# Altium PCB EVK-IRIS-W1.PcbDoc (part 8 of 9)
Units mm, origin at the board's own origin, x right, y up, seen from the top; angles counter-clockwise.
Board outline 94.11 x 129.93 mm, 6 copper layers (L1, L2, L3, L4, L5, L6), stack 1.547 mm thick; 619 components, 422 nets, 2042 pads, 1499 vias.
Unrouted connection lines stored in the file: 4.
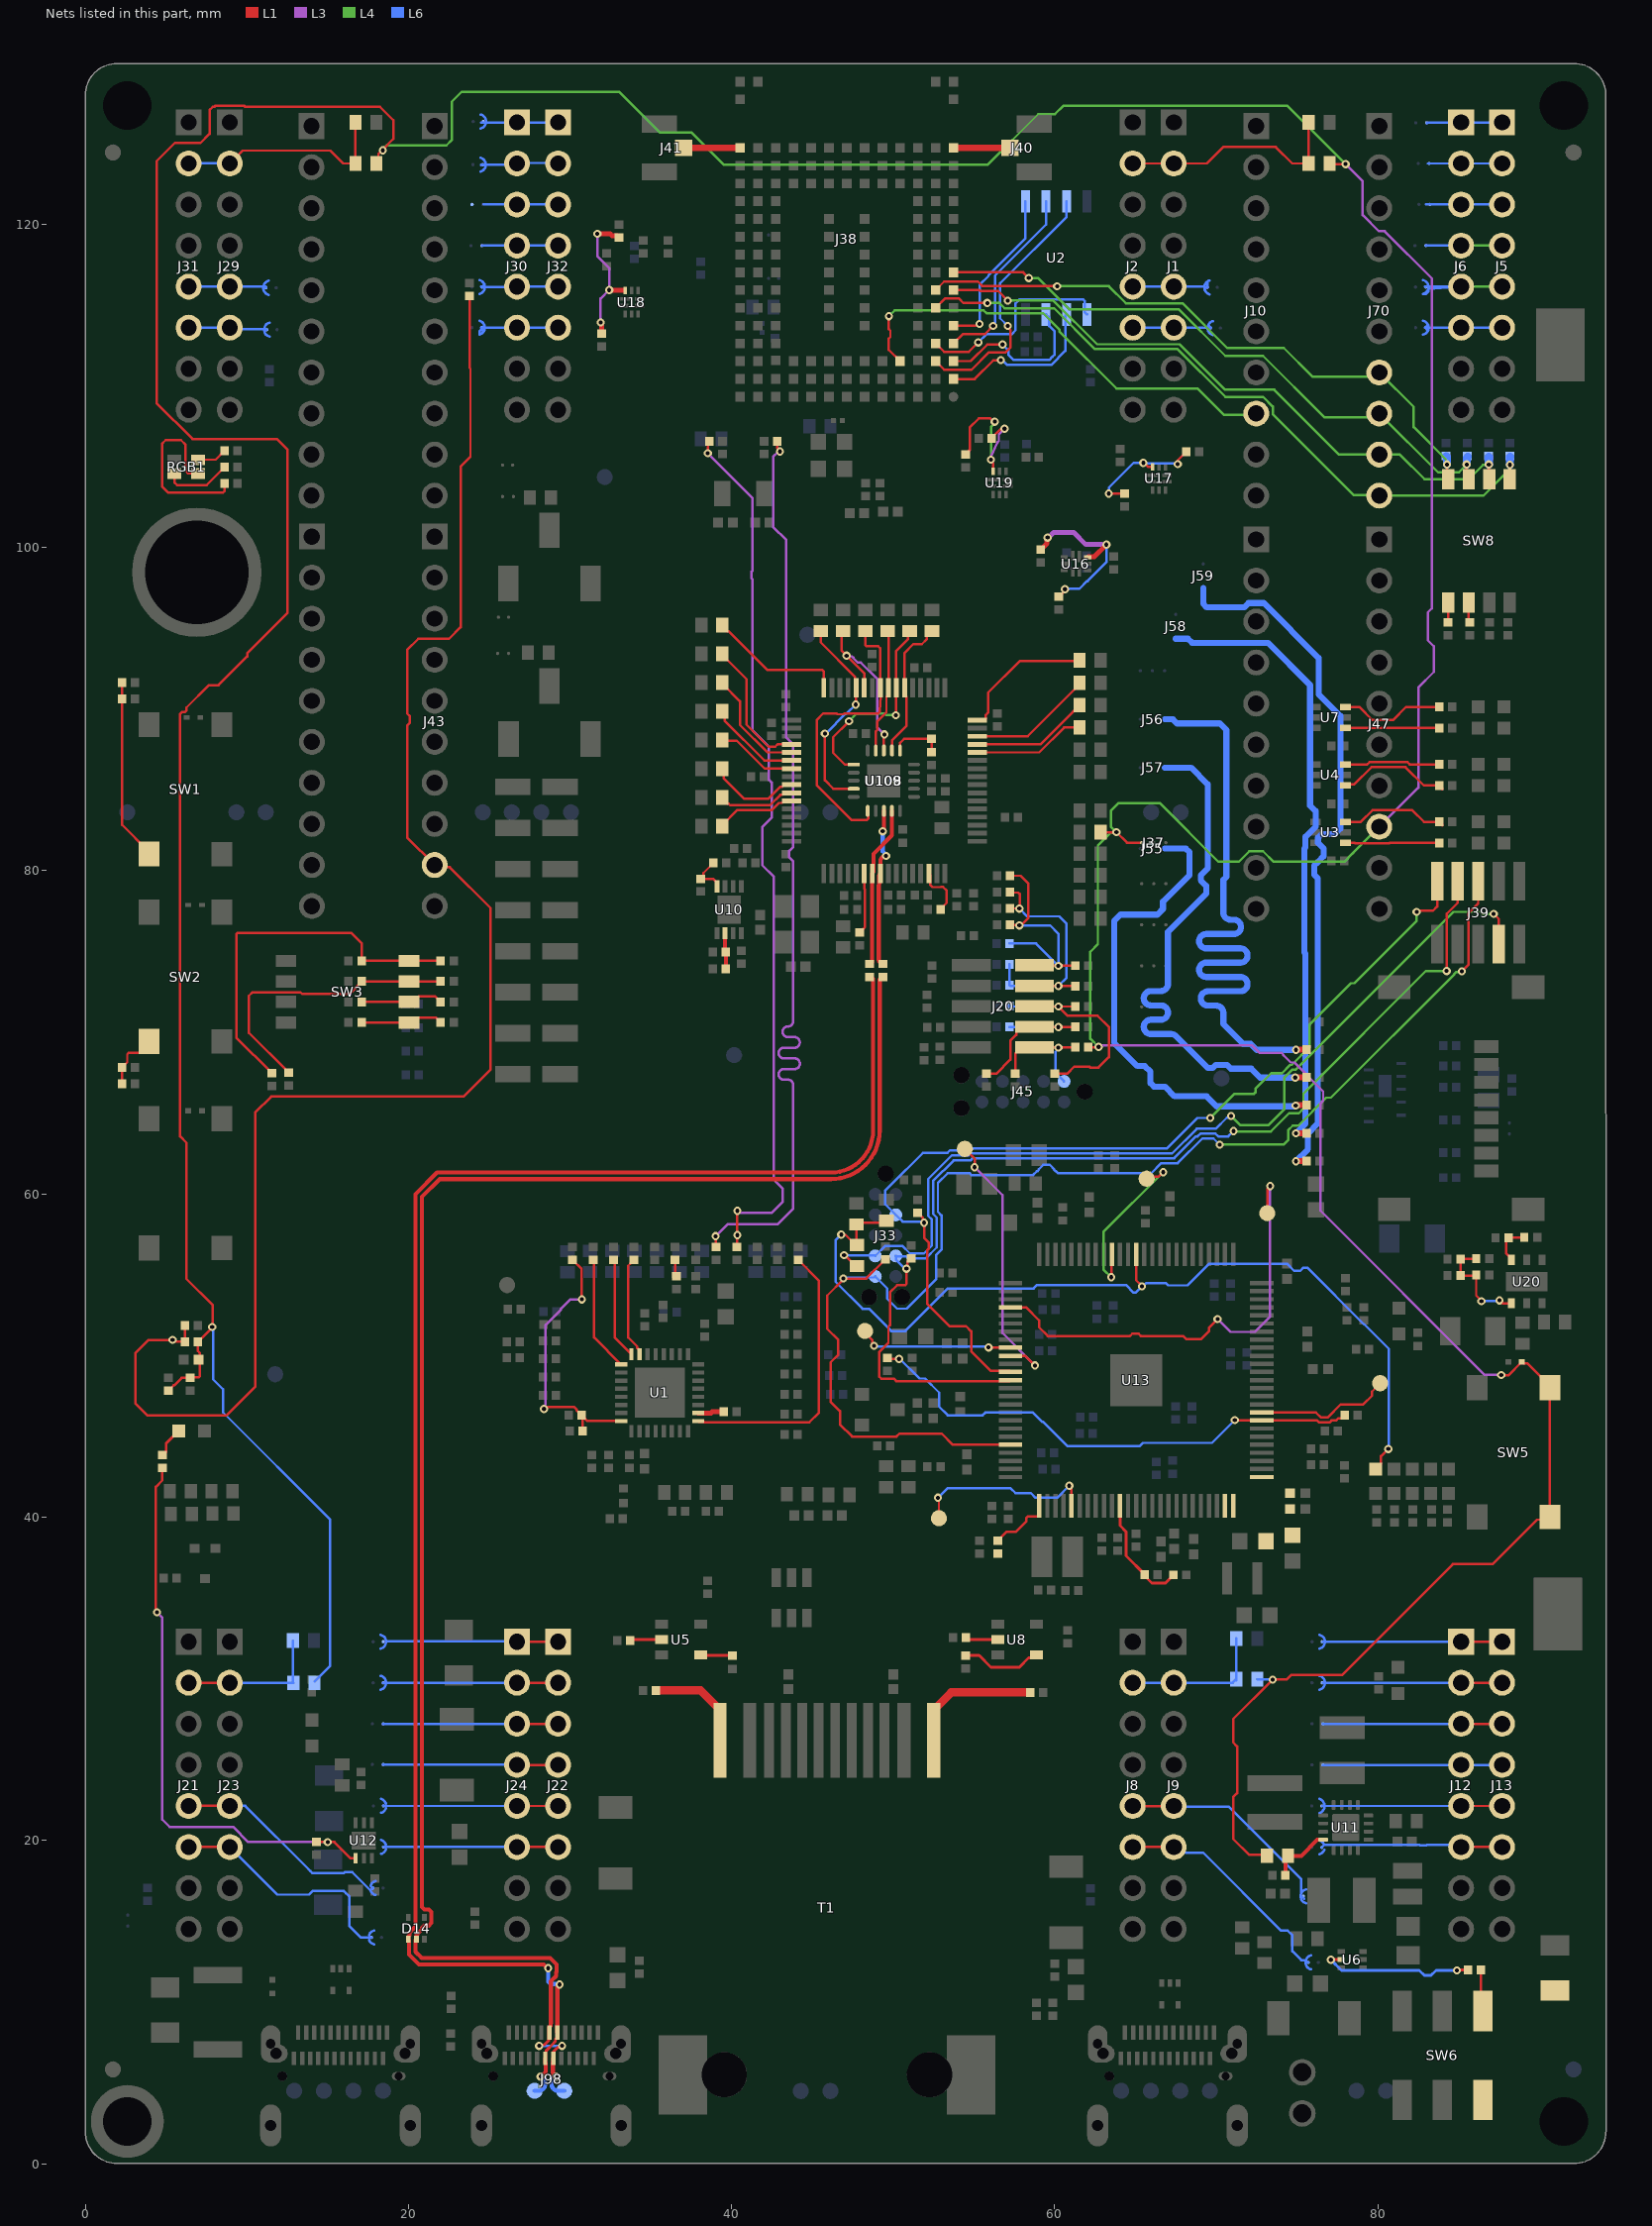
[diagram p12: the nets of this part, all layers, seen from the top]

## Via types
v1: diameter 0.508, hole 0.254, L1 to L6, 992 vias
v2: diameter 0.508, hole 0.254, L1 to L6, tented both sides, 288 vias
v3: diameter 0.5, hole 0.25, L1 to L6, 184 vias
v4: diameter 0.6, hole 0.3, L1 to L6, 27 vias
v5: diameter 0.5, hole 0.3, L1 to L6, 5 vias
v6: diameter 0.5, hole 0.2, L1 to L6, tented top, 2 vias
v7: diameter 0.6, hole 0.3, L1 to L6, tented both sides, 1 vias

## Nets (pads, with @x,y where several pads share a name; then routed paths per layer and width w, separated by ;. In a path a pad name is that pad's centre, name@x,y a point inside that pad or via, vN(x,y) a via of type N, cw(c..) or ccw(c..) an arc to the next point about the centre after c; other vN are vias at no path point) (continued)
NetR30_1: R30.1 SW8.6 | length 1.3
  L1 w0.15: SW8.6@85.62,96.588 85.62,95.427 R30.1@85.696,95.35
NetR31_1: R31.1 SW8.5 | length 1.2
  L1 w0.15: R31.1@84.35,95.35 SW8.5@84.35,96.588
NetR37_1: R37.1 U108.28 | length 7
  L1 w0.15: U108.28@55.207,87.309 59.036,87.309 60.581,88.854 R37.1@61.534,88.854
NetR38_1: R38.1 U108.29 | length 7.4
  L1 w0.15: U108.29@55.207,87.809 59.112,87.809 61.159,89.856 61.234,89.856 61.534,90.156 R38.1@61.534,90.231
NetR39_1: R39.1 R40.1 U11.4 | length 3.9
  L1 w0.25: R39.1@74.262,17.847 74.296,17.881 74.296,18.9 R40.1@74.433,19.037 74.605,19.037 75.253,19.037 76.256,20.041 U11.4@76.613,20.041
NetR41_1: R41.1 U108.30 | length 7.8
  L1 w0.15: U108.30@55.207,88.309 58.327,88.309 61.234,91.216 61.234,91.323 R41.1@61.534,91.623
NetR42_1: R42.1 U108.32 | length 8.7
  L1 w0.15: U108.32@55.207,89.309 55.657,89.309 55.732,89.384 55.732,89.626 55.875,89.768 55.875,91.005 57.826,92.955 61.475,92.955 R42.1@61.534,93.014
NetR52_1: R52.1 U108.38 U109.17 | length 8.9
  L1 w0.15: U109.17@49.925,87.425 49.925,88.05 50.832,88.957 50.832,90.734 50.707,90.859 50.707,93.47 51.242,94.005 51.775,94.005 52.077,94.306 52.077,94.518 52.377,94.818 R52.1@52.406,94.818
NetR53_1: R53.1 U108.39 U109.1 | length 12.8
  L1 w0.15: v1@47.249,89.208 46.282,88.242 46.282,87.293 47.016,86.559 U109.1@47.592,86.559 ; v1(50.17,89.61) 50.189,89.629 50.189,91.29 U108.39@50.207,91.309 50.184,91.834 50.184,93.582 50.908,94.306 50.908,94.773 R53.1@51.115,94.979
  L4 w0.15: v1(47.273,89.242) 47.752,89.721 49.433,89.721 49.544,89.61 v1(50.17,89.61)
NetR54_1: R54.1 U108.40 U109.19 | length 8
  L1 w0.15: U109.19@48.925,87.425 48.925,88.6 49.027,88.701 49.027,89.241 49.582,89.797 49.582,90.696 49.582,90.734 49.707,90.859 R54.1@49.707,94.818 ; R54.1@49.582,95.06 49.652,94.991 R54.1@49.652,94.818
NetR55_1: R55.1 U108.41 U109.6 | length 18.6
  L1 w0.15: R55.1@48.274,94.818 48.274,93.966 48.362,93.878 49.076,93.878 49.207,93.747 U108.41@49.207,91.309 49.257,91.253 49.171,89.863 49.167,89.806 49.127,89.766 49.08,89.718 48.516,89.718 48.513,89.721 46.983,89.721 46.931,89.67 46.538,89.67 46.486,89.721 45.676,89.721 45.266,89.312 45.266,85.282 47.428,83.121 48.37,83.121 48.457,83.209 U109.6@48.457,83.694
NetR56_1: R56.1 U108.43 U109.18 | length 11.2
  L1 w0.15: R56.1@46.859,94.78 46.797,94.718 46.797,93.613 48.207,92.202 U108.43@48.207,91.309 ; U109.18@49.425,87.425 49.425,88.388 v1(49.458,88.421)
  L3 w0.15: v1(47.114,93.296) 47.156,93.254 47.449,93.254 47.537,93.166 47.537,93.146 47.818,92.865 48.002,92.865 49.027,91.84 49.027,88.853 v1(49.458,88.421)
NetR57_1: R57.1 U108.44 U109.4 | length 13
  L1 w0.15: R57.1@45.52,94.818 45.52,94.113 47.632,92.001 47.632,91.384 U108.44@47.707,91.309 47.694,91.296 47.694,90.284 v1(47.68,90.271) ; v1(45.774,88.48) 45.774,85.585 46.3,85.059 U109.4@47.592,85.059
  L6 w0.15: v1(45.774,88.48) 45.834,88.48 47.075,89.721 47.131,89.721 v1(47.68,90.271)
NetR58_1: R58.1 U108.48 | length 8.5
  L1 w0.15: R58.1@39.431,95.188 39.431,95.113 39.731,94.813 39.806,94.813 42.218,92.401 45.62,92.401 45.707,92.313 U108.48@45.707,91.309
NetR59_1: R59.1 U108.52 | length 8.4
  L1 w0.15: R59.1@39.431,93.41 39.431,93.335 40.924,91.842 40.924,89.029 42.294,87.659 42.701,87.659 42.851,87.809 U108.52@43.707,87.809
NetR60_1: R60.1 U108.53 | length 7
  L1 w0.15: R60.1@39.431,91.632 39.431,91.557 40.518,90.47 40.518,89.012 42.22,87.309 U108.53@43.707,87.309
NetR61_1: R61.1 U108.54 | length 5.8
  L1 w0.15: R61.1@39.431,89.854 39.57,89.715 39.57,89.267 42.028,86.809 U108.54@43.707,86.809
NetR63_1: R63.1 U108.55 | length 5
  L1 w0.15: R63.1@39.431,88.076 39.476,88.031 40.329,88.031 42.046,86.313 42.362,86.313 42.366,86.309 U108.55@43.707,86.309
NetR64_1: R64.1 U108.57 | length 5.7
  L1 w0.15: R64.1@39.431,86.298 39.508,86.221 39.508,85.711 40.786,84.432 42.262,84.432 43.014,85.184 43.132,85.184 43.257,85.309 U108.57@43.707,85.309
NetR65_1: R65.1 U108.58 | length 4.8
  L1 w0.15: R65.1@39.431,84.52 39.431,84.445 39.731,84.145 39.806,84.145 39.904,84.047 42.377,84.047 43.014,84.684 43.095,84.684 43.132,84.684 43.257,84.809 U108.58@43.707,84.809
NetR66_1: R66.1 U108.59 | length 5
  L1 w0.15: R66.1@39.431,82.742 39.431,82.817 40.36,83.747 42.501,83.747 42.938,84.184 43.132,84.184 43.257,84.309 U108.59@43.707,84.309
NetR72_1: R72.1 U3.6 | length 6.7
  L1 w0.15: U3.6@77.986,83.012 78.939,83.012 79.661,83.734 82.123,83.734 82.845,83.012 R72.1@83.806,83.012 83.991,82.827 R72.1@83.991,82.774
NetR73_1: R73.1 U3.4 | length 5.8
  L1 w0.15: U3.4@77.986,81.712 78.559,81.712 78.587,81.684 80.702,81.684 80.73,81.712 82.845,81.712 R73.1@83.806,81.712
NetR74_1: R74.1 U4.6 | length 5.9
  L1 w0.15: U4.6@77.986,86.568 79.342,86.568 79.476,86.702 81.835,86.702 81.97,86.568 R74.1@83.806,86.568
NetR75_1: R75.1 U4.4 | length 7.1
  L1 w0.15: U4.4@77.986,85.268 78.061,85.343 78.541,85.343 79.6,86.402 81.711,86.402 82.845,85.268 R75.1@83.806,85.268 83.991,85.083 R75.1@83.991,85.03
NetR76_1: R76.1 U7.6 | length 6.6
  L1 w0.15: U7.6@77.856,90.124 U7.6@77.986,90.124 78.841,90.124 79.661,89.304 80.927,89.304 81.747,90.124 R76.1@83.806,90.124
NetR77_2: R77.2 RGB1.1 | length 1.9
  L1 w0.15: RGB1.1@6.975,105.415 6.982,105.422 8.075,105.422 8.619,105.966 R77.2@8.619,105.981
NetR78_2: R78.2 RGB1.2 | length 11.3
  L1 w0.15: RGB1.2@6.975,104.565 6.381,104.565 6.214,104.732 6.214,106.347 5.926,106.636 4.975,106.636 4.752,106.413 4.752,103.76 5.122,103.39 8.531,103.39 8.619,103.478 R78.2@8.619,103.949
NetR79_2: R79.2 RGB1.3 | length 4.2
  L1 w0.15: RGB1.3@5.525,104.565 5.525,104.013 5.691,103.847 7.516,103.847 8.619,104.95 R79.2@8.619,104.965
NetR82_2: R82.2 R213.1 SW3.1 | length 5.2
  L1 w0.152: R213.1@17.1,70.601 SW3.1@20.043,70.601 20.347,70.905 20.691,70.905 21.696,70.905 21.801,70.8 21.816,70.8 22,70.616 R82.2@22,70.601
NetR84_2: R84.2 U108.6 | length 3.8
  L1 w0.15: R84.2@47.933,76.18 47.948,76.18 48.133,76.365 48.133,76.379 48.26,76.505 48.26,78.815 48.207,78.868 U108.6@48.207,79.809
NetR85_2: R85.2 U108.14 | length 3.2
  L1 w0.15: U108.14@52.207,79.809 52.282,79.734 52.282,79.12 52.427,78.976 52.955,78.976 52.964,78.984 53.093,78.984 53.318,78.759 53.318,78.011 52.931,77.624 R85.2@52.931,77.609
NetR86_1: R86.1 R90.2 U10.4 | length 2.6
  L1 w0.15: R90.2@38.872,80.479 38.872,80.464 38.258,79.85 38.258,79.651 R86.1@38.093,79.486 38.862,79.486 39.095,79.252 U10.4@39.095,79.027
NetR89_2: R89.2 R114.2 U10.6 | length 2.2
  L1 w0.254: U10.6@39.595,76.127 39.595,75.016 R114.2@39.649,74.962 R89.2@39.65,73.928
NetR91_1: R91.1 R92.1 U109.16 | length 3.4
  L1 w0.15: U109.16@50.425,87.425 50.425,87.9 50.682,88.156 R91.1@52.378,88.156 R92.1@52.378,87.331
NetR93_1: R93.1 U7.4 | length 5.8
  L1 w0.15: U7.4@77.986,88.824 R93.1@83.806,88.824
NetR94_2: R94.2 R212.1 SW3.2 | length 5.2
  L1 w0.152: R212.1@17.1,71.87 SW3.2@20.043,71.871 ; SW3.2@20.043,71.871 20.298,71.871 20.654,72.226 21.644,72.226 21.801,72.069 21.816,72.069 22,71.885 R94.2@22,71.87
NetR99_2: R99.2 R214.1 R216.1 SW3.3 | length 18.2
  L1 w0.15: R216.1@12.598,67.507 12.583,67.507 10.128,69.962 10.128,72.251 10.352,72.476 13.314,72.476 13.42,72.37 16.382,72.37 16.789,72.777 16.789,72.815 17.1,73.126 R214.1@17.1,73.141
  L1 w0.152: R214.1@17.1,73.141 R99.2@22,73.141 R99.2@22.047,73.141
NetR103_2: R103.2 R215.1 R218.1 SW3.4 | length 23.5
  L1 w0.152: R218.1@11.557,67.481 11.542,67.481 9.354,69.669 9.354,76.055 9.449,76.149 16.459,76.149 17.1,75.508 R215.1@17.1,74.411 R103.2@22,74.411
NetR110_2: R110.2 R209.1 U12.4 | length 35.8
  L1 w0.15: v2(4.443,34.112) 4.443,34.209 4.369,34.283 4.369,41.87 4.774,42.274 R110.2@4.774,43.034 ; R209.1@14.299,19.907 14.314,19.892 v2(15.008,19.892) 15.421,19.892 16.427,18.886 U12.4@16.743,18.886
  L3 w0.15: v2(4.443,34.112) 4.774,33.782 4.774,21.285 5.227,20.832 9.151,20.832 10.091,19.892 v2(15.008,19.892)
NetR123_1: R123.1 U6.5 | length 9.7
  L1 w0.178: v1(77.086,12.615) U6.5@77.732,12.615 ; v1(84.883,11.955) 84.909,11.98 R123.1@85.575,11.98
  L6 w0.178: v1(77.086,12.615) 77.747,11.955 82.561,11.955 82.876,11.64 83.284,11.64 83.599,11.955 v1(84.883,11.955)
NetR123_2: R123.2 R124.1 SW6.1 SW6.4 | length 2.6
  L1 w0.178: R123.2@86.375,11.98 86.375,9.559 SW6.1@86.494,9.44
NetR125_1: R125.1 R127.1 SW1.4 | length 11.3
  L1 w0.15: R125.1@2.289,91.622 R127.1@2.289,90.617 2.289,82.819 3.864,81.244 3.864,81.119 SW1.4@3.956,81.027
NetR128_1: R128.1 R129.1 SW2.4 | length 3.7
  L1 w0.15: R129.1@2.289,66.805 2.289,67.824 2.604,68.139 2.604,68.635 2.692,68.723 3.381,68.723 3.956,69.298 SW2.4@3.956,69.423
NetR130_1: R130.1 T1.1 | length 9.5
  L1 w0.178: T1.1@52.475,26.213 T1.1@52.475,27.45
  L1 w0.508: T1.1@52.512,26.186 52.512,28.081 53.587,29.155 R130.1@58.476,29.155
NetR131_1: R131.1 T1.12 | length 7.6
  L1 w0.178: T1.12@39.292,26.111 T1.12@39.292,27.348
  L1 w0.508: R131.1@35.323,29.276 38.096,29.276 39.292,28.081 T1.12@39.292,26.186
NetR144_1: R144.1 R145.1 R274.2 R287.2 U20.4 | length 8
  L1 w0.152: R144.1@86.082,55.984 85.142,55.984 R274.2@85.105,55.948 R287.2@85.105,54.943 86.045,54.943 R145.1@86.082,54.98 ; v1@86.407,53.382 86.082,53.707 ; v1@87.559,53.384 87.717,53.226 U20.4@88.259,53.226 U20.4@88.259,53.316 ; 86.082,53.707 R145.1@86.082,54.98 ; 86.082,53.707 R145.1@86.082,54.98
  L6 w0.152: v1(86.407,53.357) 86.433,53.382 87.499,53.382 v1(87.525,53.408)
NetR147_2: R147.2 U5.2 | length 1.8
  L1 w0.178: R147.2@33.718,32.36 33.777,32.419 U5.2@35.531,32.419
NetR148_1: R148.1 U5.4 | length 1.8
  L1 w0.178: U5.4@38.23,31.466 38.257,31.44 40.03,31.44 R148.1@40.057,31.413
NetR150_1: R150.1 U1.10 | length 1.6
  L1 w0.305: U1.10@37.937,46.44 38.723,46.44 38.808,46.524 R150.1@39.525,46.524
NetR151_1: R151.1 R208.2 U20.3 | length 2.6
  L1 w0.152: U20.3@88.259,55.906 88.259,55.996 87.931,56.325 87.931,57.136 R208.2@88.077,57.282 89.043,57.282 R151.1@89.054,57.294
NetR153_2: R153.2 U8.2 | length 1.9
  L1 w0.178: R153.2@54.51,32.537 54.628,32.419 U8.2@56.323,32.419
NetR154_1: R154.1 U8.4 | length 5.1
  L1 w0.178: R154.1@54.496,31.439 55.323,31.439 56.053,30.709 57.809,30.709 58.383,31.283 58.839,31.283 U8.4@59.022,31.466
NetR184_1: R184.1 R185.2 U13.58 | length 32.2
  L1 w0.15: R184.1@49.63,49.854 49.7,49.784 v1(50.367,49.784) ; v1(71.144,45.999) 71.166,45.977 76.236,45.977 76.358,45.855 77.004,45.855 77.126,45.977 77.409,45.977 77.549,46.118 77.772,46.118 77.957,46.303 R185.2@77.957,46.318
  L6 w0.15: v1@50.392,49.809 51.628,48.573 51.975,48.573 52.846,47.703 52.846,46.83 53.374,46.302 55.536,46.302 55.703,46.47 58.649,46.47 59.217,45.903 59.269,45.903 60.791,44.38 65.25,44.38 65.46,44.59 69.735,44.59 v1(71.144,45.999)
NetR251_2: R251.2 R252.2 U16.10 | length 11.4
  L1 w0.15: R251.2@60.245,96.937 60.26,96.937 60.56,97.236 60.56,97.341 v1(60.628,97.409)
  L1 w0.305: R252.2@59.13,99.866 59.145,99.866 59.521,100.243 59.521,100.562 v1(59.56,100.6) ; U16.10@62.074,99.423 62.455,99.423 v1(63.199,100.167)
  L3 w0.305: v1(59.56,100.6) 59.615,100.6 59.942,100.927 61.163,100.927 61.923,100.167 v1(63.199,100.167)
  L6 w0.15: v1(60.628,97.409) 60.65,97.431 61.522,97.431 62.003,97.912 62.029,97.912 63.199,99.082 v1(63.199,100.167)
NetR253_2: R253.2 R254.2 U17.10 | length 7.6
  L1 w0.152: v1@63.395,103.344 63.42,103.319 64.307,103.319 R253.2@64.311,103.314 ; v1@65.605,105.147 65.769,104.983 U17.10@66.043,104.983 ; v1@67.586,105.249 67.586,105.355 68.125,105.894 R254.2@68.125,105.909
  L6 w0.152: v1(63.346,103.319) 63.353,103.325 63.353,103.69 64.887,105.224 v1(65.48,105.224) ; v1@65.518,105.185 67.575,105.185 v1(67.613,105.147)
NetR255_2: R255.2 R256.2 U18.10 | length 8.9
  L1 w0.305: v1@31.873,119.397 32.483,119.397 32.597,119.282 32.934,119.282 R255.2@33.042,119.175 ; v1@31.899,113.961 31.95,113.91 R256.2@31.95,113.218 ; v1@32.483,115.892 U18.10@33.372,115.892
  L3 w0.152: v1(31.696,119.397) 31.696,118.007 32.432,117.27 v1(32.432,115.917) 31.899,115.384 v1(31.899,113.91)
NetR257_2: R257.2 R258.2 U19.10 | length 10.1
  L1 w0.15: R257.2@54.479,105.751 54.494,105.751 54.679,105.936 54.679,105.966 54.737,106.023 54.737,107.41 55.299,107.972 56.018,107.972 56.218,107.772 v1(56.285,107.772) ; v1(56.054,105.427) 56.054,105.33 56.195,105.19 U19.10@56.195,104.709 ; R258.2@56.099,106.748 56.099,106.763 56.651,107.315 v1@56.92,107.315
  L3 w0.15: v1@56.02,105.461 v1(56.054,105.427) 56.066,105.638 56.45,106.472 56.473,106.504 56.49,106.524 56.539,106.573 56.539,106.985 v1(56.894,107.34)
  L4 w0.15: v1(56.054,105.427) 56.054,107.445 56.285,107.675 v1(56.285,107.772)
OTG_FAULT: D2.1 R110.1 | length 1.9
  L1 w0.178: R110.1@4.774,43.834 4.789,43.834 5.009,44.055 5.009,44.559 D2.1@5.789,45.339
P1_1-MCULINK: TP25.1 U13.59 | length 8.5
  L1 w0.15: U13.59@72.816,46.477 76.161,46.477 76.483,46.155 76.879,46.155 77.697,46.973 79.094,46.973 79.633,47.512 79.633,47.763 80.135,48.266 TP25.1@80.135,48.285
P1_7-MCULINK: TP30.1 U13.9 | length 9.5
  L1 w0.152: TP30.1@48.258,51.511 48.258,51.395 48.716,50.938 v1@48.716,50.622 ; v1@56.005,50.546 56.074,50.477 U13.9@57.266,50.477
  L6 w0.152: v1(48.817,50.597) 48.868,50.546 55.853,50.546 v1(55.904,50.495)
P1_9-MCULINK: TP26.1 U13.10 | length 16.9
  L1 w0.152: TP26.1@54.436,62.78 55.04,62.176 v1(55.04,61.646) ; U13.10@57.266,49.977 58.174,49.977 v1@58.749,49.403
  L3 w0.152: v1@55.066,61.62 56.768,59.918 56.768,51.384 v1(58.774,49.378)
P1_20-MCULINK: TP27.1 U13.4 | length 28.4
  L1 w0.152: U13.4@57.266,52.977 58.229,52.977 59.03,52.176 59.03,51.744 59.566,51.209 64.657,51.209 64.796,51.348 65.194,51.348 65.333,51.209 67.946,51.209 68.136,51.019 69.07,51.019 69.541,51.49 69.541,51.712 v1(70.077,52.248) ; TP27.1@73.15,58.801 73.15,60.325 v1@73.277,60.452
  L3 w0.152: v1(70.077,52.248) 70.871,51.454 72.382,51.454 73.328,52.4 v1(73.328,60.477)
P1_21-MCULINK: TP28.1 U13.30 | length 11.6
  L1 w0.15: v1@52.78,41.25 52.83,41.199 TP28.1@52.83,39.929 ; v1@60.933,41.986 61.041,41.879 U13.30@61.041,40.702
  L6 w0.15: v1(52.772,41.199) 53.352,41.779 57.271,41.779 57.572,41.478 58.527,41.478 58.807,41.199 60.163,41.199 v1(60.9,41.935)
P1_31-MCULINK: TP29.1 U13.91 | length 10.9
  L1 w0.15: v1(63.498,54.839) 63.519,54.86 63.519,56.231 U13.91@63.541,56.252 ; TP29.1@65.683,60.935 65.798,61.05 66.408,61.05 v1@66.699,61.341
  L4 w0.15: v1(63.498,54.839) 63.016,55.321 63.016,57.641 v1(66.716,61.341)
PDn: J43.9 R14.1 R15.2 R222.1 | length 102.4
  L1 w0.15: R15.2@6.183,51.845 6.183,51.902 6.175,51.91 R15.2@6.36,51.725 ; J43.9@21.625,80.343 19.92,82.048 19.92,88.969 20.097,89.146 20.097,89.543 19.92,89.719 19.92,93.643 20.608,94.331 22.506,94.331 23.234,95.059 23.234,105.001 23.84,105.608 23.84,111.046 23.782,111.104 R222.1@23.782,115.561
  L1 w0.152: R15.2@6.175,51.91 6.175,50.846 6.158,50.829 6.128,50.859 5.626,50.859 5.527,50.958 v1(5.403,50.958) 3.916,50.958 3.123,50.165 3.123,47.015 3.834,46.304 8.761,46.304 10.514,48.057 10.514,65.024 11.509,66.019 23.424,66.019 25.095,67.691 25.095,77.673 22.565,80.204 21.765,80.204 J43.9@21.625,80.343
PHY_RESET: C42.1 R152.1 R210.1 U1.32 | length 16.9
  L1 w0.152: v1(28.396,46.685) 28.492,46.685 28.609,46.802 30.272,46.802 30.41,46.664 30.41,46.624 30.724,46.311 R152.1@30.724,46.296 ; R210.1@30.157,55.913 30.724,55.346 ; R210.1@30.157,56.104 R210.1@30.187,56.074 ; 30.73,55.316 30.73,53.469 v1(30.732,53.467) ; C42.1@30.775,45.327 30.775,46.23 30.908,46.097 30.923,46.097 31.08,45.94 U1.32@33.167,45.94
  L3 w0.152: v1(28.396,46.685) 28.464,46.753 28.464,46.919 28.497,46.952 28.497,51.892 29.446,52.841 29.446,52.887 30.026,53.467 v1(30.732,53.467)
PIO0_5-ISP_EN: J33.7 J39.7 R181.1 | length 56.9
  L1 w0.15: v1(46.963,56.21) 47,56.21 47.675,55.535 R181.1@47.75,55.535 ; v1(87.166,77.318) 87.476,77.007 J39.7@87.476,75.444
  L4 w0.15: v1(70.915,64.821) 71.499,64.237 73.201,64.237 74.217,65.253 74.217,67.204 74.684,67.671 74.898,67.671 84.668,77.441 86.328,77.441 86.452,77.318 v1(87.166,77.318) v1@87.171,77.318
  L6 w0.15: v1(46.963,56.21) 46.988,56.185 48.868,56.185 J33.7@48.893,56.159 49.518,56.784 50.568,56.784 51.037,56.315 51.911,56.315 52.396,56.8 52.396,58.41 52.17,58.636 52.17,60.918 53.644,62.392 54.685,62.392 54.793,62.5 67.266,62.5 68.79,64.024 69.966,64.024 70.65,64.708 70.706,64.708 70.818,64.821 v1(70.915,64.821)
PIO0_5-ISP_EN-LED_SWD_ACT: LED3.1 R179.1 R181.2 R182.1 U13.88 | length 57.2
  L1 w0.15: U13.88@65.041,56.252 65.041,54.643 v1@65.327,54.356 ; LED3.1@79.868,42.965 80.193,43.29 80.193,43.765 v1(80.641,44.213)
  L1 w0.152: v1@46.912,57.455 47.055,57.455 47.675,56.835 R181.2@47.75,56.835 ; R181.2@47.725,56.86 R182.1@47.725,58.112 ; R182.1@47.839,58.226 R179.1@49.466,58.226
  L1 w0.277: R181.2@47.725,56.86 R181.2@47.75,56.835 ; R182.1@47.725,58.112 R182.1@47.839,58.226 ; R179.1@49.466,58.226 R179.1@49.579,58.339
  L6 w0.15: v1(65.401,54.271) 65.453,54.271 65.668,54.487 66.867,54.487 67.019,54.334 68.218,54.334 69.556,55.673 74.372,55.673 74.804,55.24 75.201,55.24 75.397,55.436 75.625,55.436 79.13,51.931 79.149,51.931 80.671,50.408 v1@80.671,44.278
  L6 w0.152: 46.432,54.963 46.432,54.564 48.102,52.893 48.502,52.893 49.884,51.511 50.755,51.511 53.383,54.14 58.692,54.14 58.908,54.356 64.406,54.356 64.883,53.879 65.009,53.879 v1(65.401,54.271) ; 46.432,54.963 46.432,57.127 v1(46.785,57.48)
PIO0_10-SWO: J33.6 J39.6 R176.1 U13.21 | length 83.5
  L1 w0.15: R176.1@49.528,55.944 49.513,55.944 48.332,54.762 v1(46.912,54.762) 46.912,54.699 45.922,53.708 45.922,51.645 46.602,50.964 46.602,50.043 46.126,49.567 46.126,47.139 46.709,46.556 46.709,45.728 47.458,44.979 50.202,44.979 50.38,45.157 53.004,45.157 53.685,44.477 U13.21@57.266,44.477 ; v1(85.19,73.762) 85.594,74.166 85.594,77.341 86.206,77.953 J39.6@86.206,79.344
  L4 w0.15: v1(70.204,63.043) 74.166,63.043 74.445,63.322 74.445,63.936 74.726,64.217 75.074,64.217 76.808,65.951 77.091,65.951 84.729,73.589 84.729,73.606 84.849,73.725 85.154,73.725 v1(85.19,73.762)
  L6 w0.15: v1(46.912,54.762) 46.976,54.826 48.83,54.826 J33.6@48.893,54.889 49.631,54.152 49.631,53.508 50.244,52.894 50.845,52.894 52.656,54.706 52.656,56.212 52.996,56.552 52.996,58.658 52.77,58.885 52.77,60.669 53.365,61.265 54.744,61.265 54.842,61.167 58.661,61.167 58.886,61.392 58.92,61.392 59.008,61.48 59.008,61.514 59.288,61.795 59.685,61.795 59.966,61.514 59.966,61.48 60.054,61.392 60.088,61.392 60.215,61.265 65.963,61.265 66.598,61.9 67.613,61.9 69.137,63.424 69.823,63.424 v1(70.204,63.043)
PIO0_11-SWDCLK: J33.4 J39.4 R183.2 U13.13 | length 68.5
  L1 w0.15: R183.2@51.103,56.013 51.088,56.013 50.903,55.828 50.903,55.813 50.893,55.804 50.893,55.435 v1(50.825,55.367) 50.825,54.432 50.737,54.344 50.244,54.344 49.808,53.908 49.808,51.877 49.705,51.774 49.705,50.782 49.13,50.207 49.13,48.701 49.262,48.569 50.04,48.569 50.191,48.418 57.206,48.418 U13.13@57.266,48.477 ; v1(84.25,73.787) 84.271,73.808 84.271,77.338 84.936,78.003 J39.4@84.936,79.344